# Altium PCB Pleiades_Frouf.PcbDoc (part 6 of 12) (continued)
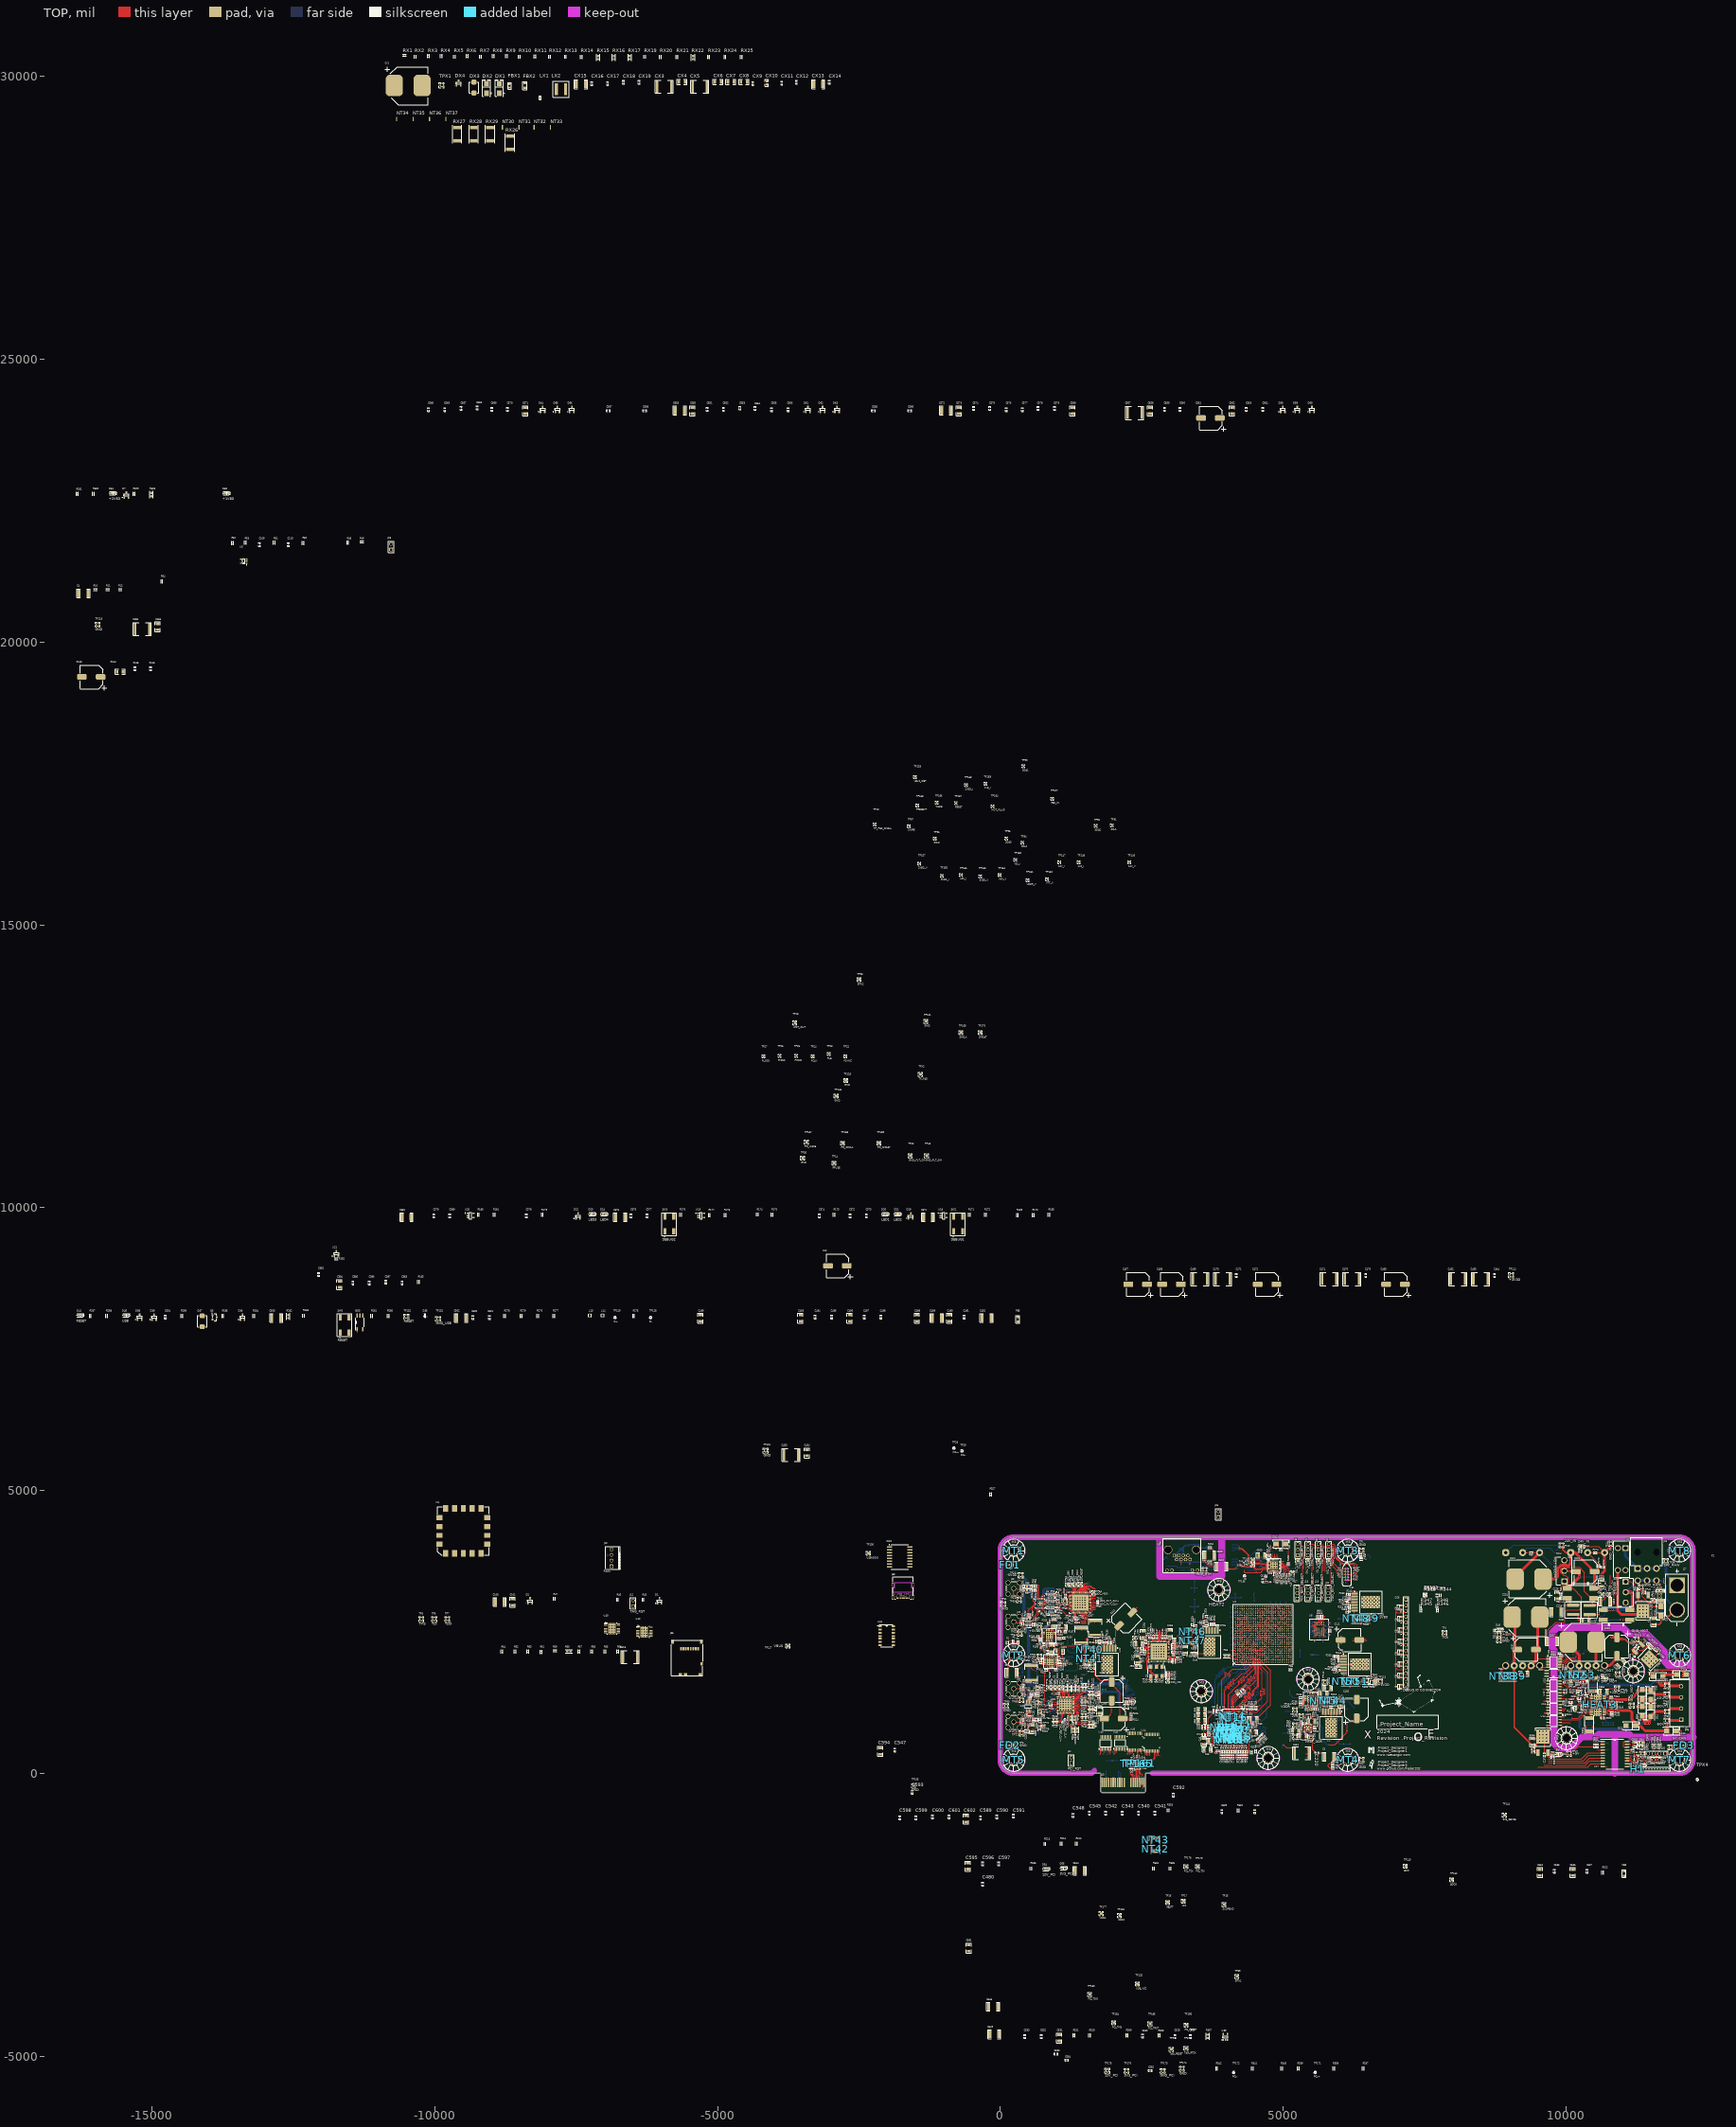
[diagram p0: TOP view]
## Nets (pads, with @x,y where several pads share a name; then routed paths per layer and width w, separated by ;. In a path a pad name is that pad's centre, name@x,y a point inside that pad or via, vN(x,y) a via of type N, cw(c..) or ccw(c..) an arc to the next point about the centre after c; other vN are vias at no path point) (continued)
A0: NT1.2 U1.N3 U2.K10 | length 3138.6
  TOP w8.89: v1(4032.11,701.42) U1.N3@4047.24,716.54 ; v1(4493.23,2299.39) 4493.23,2299.85 4511.81,2318.43 U2.K10@4511.81,2318.9
  IN1 w5.75: v1(4032.11,701.42) 4080.98,652.55 4141.23,652.55 4171.73,622.05 4414.13,622.05 4417.18,622.05 4417.69,622.56 ccw(c4409.29,630.96) 4417.69,639.36 4412.9,644.14 cw(c4421.3,652.54) 4412.9,660.94 cw(c4421.3,652.54) 4429.7,660.94 4460.45,630.19 ccw(c4468.84,638.59) 4477.24,630.19 ccw(c4468.84,638.59) 4477.24,646.99 4446.49,677.74 cw(c4454.89,686.14) 4446.49,694.54 cw(c4454.89,686.14) 4463.29,694.54 4494.04,663.79 ccw(c4502.44,672.19) 4510.84,663.79 ccw(c4502.44,672.19) 4510.84,680.58 4480.09,711.33 cw(c4488.49,719.73) 4480.09,728.13 cw(c4488.49,719.73) 4496.89,728.13 4527.63,697.38 ccw(c4536.03,705.78) 4544.43,697.38 ccw(c4536.03,705.78) 4544.43,714.18 4513.68,744.93 cw(c4522.08,753.33) 4513.68,761.72 cw(c4522.08,753.32) 4530.48,761.72 4561.23,730.98 ccw(c4569.63,739.37) 4578.02,730.98 ccw(c4569.63,739.37) 4578.02,747.77 4547.28,778.52 cw(c4555.67,786.92) 4547.28,795.32 cw(c4555.67,786.92) 4564.07,795.32 4594.82,764.57 ccw(c4603.22,772.97) 4611.62,764.57 ccw(c4603.22,772.97) 4611.62,781.37 4580.87,812.11 cw(c4589.27,820.51) 4580.87,828.91 cw(c4589.27,820.51) 4597.67,828.91 4628.42,798.16 ccw(c4636.81,806.56) 4645.21,798.16 ccw(c4636.81,806.56) 4645.21,814.96 4614.46,845.71 cw(c4622.86,854.11) 4614.46,862.51 cw(c4622.86,854.11) 4631.26,862.51 4662.01,831.76 ccw(c4670.41,840.16) 4678.81,831.76 ccw(c4670.41,840.16) 4678.81,848.55 4669.64,857.72 cw(c4678.04,866.12) 4669.64,874.51 4683.4,888.27 4683.4,905.45 4683.4,1790.42 4590,1883.83 4590,2232.09 4541.54,2280.55 4512.07,2280.55 v1(4493.23,2299.39)
A1: NT3.2 U1.P7 U2.L9 | length 3063.1
  TOP w8.89: v1(4133.63,617.01) 4133.63,675.81 4142.86,685.04 U1.P7@4173.23,685.04 ; v1(4530,2260.98) 4530.59,2261.57 4533.23,2261.57 U2.L9@4551.18,2279.53
  IN2 w5.75: v1(4133.63,617.01) 4119.1,602.47 4119.1,525.21 4149.19,495.13 4152.06,495.13 4177.44,495.11 cw(c4177.43,482.24) 4190.31,482.24 4190.31,465.81 ccw(c4203.18,465.81) 4216.06,465.81 4216.06,510.57 cw(c4228.94,510.57) 4241.82,510.57 4241.82,465.81 ccw(c4254.69,465.81) 4267.57,465.81 4267.57,510.57 cw(c4280.45,510.57) 4293.32,510.57 4293.32,465.81 ccw(c4306.2,465.81) 4319.08,465.81 4319.08,510.57 cw(c4331.96,510.57) 4344.83,510.57 4344.83,465.81 ccw(c4357.71,465.81) 4370.59,465.81 4370.59,510.57 cw(c4383.47,510.57) 4396.34,510.57 4396.34,465.81 ccw(c4409.22,465.81) 4422.1,465.81 4422.1,502.26 cw(c4444.08,502.26) 4428.54,517.8 4431.41,520.68 4730,819.27 4730,1783.55 4569.92,1943.63 4569.92,2221.06 v1(4530,2260.98)
A2: NT5.2 U1.P3 U2.K9 | length 3144
  TOP w8.89: v1@4034.48,667.45 4035.08,668.04 4035.08,671.02 4047.24,683.18 U1.P3@4047.24,685.04 ; U2.K9@4511.81,2279.53 4531.07,2298.79 4534.49,2298.79 v1(4535.08,2299.39)
  IN1 w5.75: v1@4034.48,667.45 4065.69,636.24 4071.79,636.24 4148.03,560 4468.62,560 4755,846.38 4755,897.36 4755,915.5 ccw(c4742.12,915.5) 4742.12,928.38 4740.15,928.38 cw(c4740.15,941.26) 4740.15,954.13 4790.37,954.13 ccw(c4790.37,967.01) 4790.37,979.89 4740.15,979.89 cw(c4740.15,992.77) 4740.15,1005.64 4790.37,1005.64 ccw(c4790.37,1018.52) 4790.37,1031.4 4740.15,1031.4 cw(c4740.15,1044.28) 4740.15,1057.15 4790.37,1057.15 ccw(c4790.37,1070.03) 4790.37,1082.91 4740.15,1082.91 cw(c4740.15,1095.79) 4740.15,1108.66 4790.37,1108.66 ccw(c4790.37,1121.54) 4790.37,1134.42 4740.15,1134.42 cw(c4740.15,1147.29) 4740.15,1160.17 4790.37,1160.17 ccw(c4790.37,1173.05) 4790.37,1185.93 4767.88,1185.93 cw(c4767.88,1198.8) 4755,1198.8 4755,1201.68 4755,1871.92 4645,1981.92 4645,2230 4575.61,2299.39 v1(4535.08,2299.39)
  other v1: 4035.08,669.53
A3: NT7.2 U1.N2 U2.J7 | length 3121.7
  TOP w8.89: NT7.2@3947.74,703.76 3947.79,703.7 3952.29,703.7 3955.05,700.94 3974.24,700.94 3974.52,701.22 3998.26,701.22 3999.51,702.47 v1(4000.35,702.47) 4001.02,702.47 4015.09,716.54 U1.N2@4015.75,716.54 ; U2.J7@4472.44,2200.79 4493.23,2180 v1(4613.62,2180)
  IN2 w5.75: v1(4000.35,702.47) 3975,677.11 3975,510 4110,375 4469.04,375 4845,750.96 4845,2073.15 4721.44,2196.72 4630.33,2196.72 v1(4613.62,2180)
A4: NT9.2 U1.P8 U2.G5 | length 3063.7
  TOP w8.89: v1(4188.04,702.57) 4188.04,702.15 4204.72,685.46 U1.P8@4204.72,685.04 ; U2.G5@4393.7,2122.05 4393.7,2121.48 4412.29,2102.89 v1(4412.29,2102.32)
  IN2 w5.75: v1(4188.04,702.57) 4185.83,702.57 4131.54,756.85 4131.54,793.83 4143.45,805.74 4149.85,805.74 4186.68,842.57 4253.23,842.57 4285.8,875.15 4287.84,877.18 ccw(c4278.73,886.29) 4287.84,895.39 4280.98,902.25 cw(c4290.09,911.35) 4280.98,920.46 cw(c4290.09,911.35) 4299.19,920.46 4307.66,911.99 ccw(c4316.76,921.1) 4325.87,911.99 ccw(c4316.76,921.1) 4325.87,930.2 4315,941.07 cw(c4324.11,950.18) 4315,959.28 cw(c4324.11,950.18) 4333.22,959.28 4342.47,950.03 ccw(c4351.58,959.13) 4360.68,950.03 4374.72,964.07 4383.74,973.09 4383.74,978.82 ccw(c4371.87,978.82) 4371.87,990.7 4331.69,990.7 cw(c4331.69,1002.58) 4331.69,1014.46 4389.33,1014.46 ccw(c4389.33,1026.33) 4389.33,1038.21 4331.69,1038.21 cw(c4331.69,1050.09) 4331.69,1061.96 4389.33,1061.96 ccw(c4389.33,1073.84) 4389.33,1085.72 4331.69,1085.72 cw(c4331.69,1097.6) 4331.69,1109.47 4389.33,1109.47 ccw(c4389.33,1121.35) 4389.33,1133.23 4331.69,1133.23 cw(c4331.69,1145.11) 4331.69,1156.98 4389.33,1156.98 ccw(c4389.33,1168.86) 4389.33,1180.74 4365.57,1180.74 cw(c4365.57,1192.61) 4365.57,1204.49 4371.87,1204.49 ccw(c4371.87,1216.37) 4383.74,1216.37 4383.74,1231.64 4383.74,1352.26 4383.74,1380.89 cw(c4396.62,1380.89) 4396.62,1393.77 4411.98,1393.77 ccw(c4411.98,1406.65) 4411.98,1419.52 4391.43,1419.52 cw(c4391.43,1432.4) 4391.43,1445.28 4411.98,1445.28 ccw(c4411.98,1458.16) 4411.98,1471.03 4391.43,1471.03 cw(c4391.43,1483.91) 4391.43,1496.79 4411.98,1496.79 ccw(c4411.98,1509.67) 4411.98,1522.54 4391.43,1522.54 cw(c4391.43,1535.42) 4391.43,1548.3 4411.98,1548.3 ccw(c4411.98,1561.17) 4411.98,1574.05 4391.43,1574.05 cw(c4391.43,1586.93) 4391.43,1599.81 4411.98,1599.81 ccw(c4411.98,1612.68) 4411.98,1625.56 4391.43,1625.56 cw(c4391.43,1638.44) 4391.43,1651.32 4411.98,1651.32 ccw(c4411.98,1664.19) 4411.98,1677.07 4391.43,1677.07 cw(c4391.43,1689.95) 4391.43,1702.83 4411.98,1702.83 ccw(c4411.98,1715.7) 4411.98,1728.58 4391.43,1728.58 cw(c4391.43,1741.46) 4391.43,1754.33 4411.98,1754.33 ccw(c4411.98,1767.21) 4411.98,1780.09 4391.43,1780.09 cw(c4391.43,1792.97) 4391.43,1805.84 4411.98,1805.84 ccw(c4411.98,1818.72) 4411.98,1831.6 4391.43,1831.6 cw(c4391.43,1844.48) 4391.43,1857.35 4411.98,1857.35 ccw(c4411.98,1870.23) 4411.98,1883.11 4396.62,1883.11 cw(c4396.62,1895.98) 4383.74,1895.98 4383.74,1913.25 4383.74,1934.72 4430.84,1981.82 4430.84,2083.77 v1(4412.29,2102.32)
A5: NT11.2 U1.P2 U2.K5 | length 3146.2
  TOP w8.89: v1(4000,670) 4000.35,670 4015.39,685.04 U1.P2@4015.75,685.04 ; U2.K5@4511.81,2122.05 4514.2,2122.05 4533.88,2102.36 v1(4671.91,2102.36)
  IN1 w5.75: v1(4000,670) 4000,633.12 4142.31,490.82 4147.43,490.82 4186.19,490.82 cw(c4186.19,477.44) 4199.56,477.44 4199.56,462.09 ccw(c4212.94,462.09) 4226.32,462.09 4226.32,492.72 cw(c4239.7,492.72) 4253.07,492.72 4253.07,462.09 ccw(c4266.45,462.09) 4279.83,462.09 4279.83,492.72 cw(c4293.21,492.72) 4306.58,492.72 4306.58,462.09 ccw(c4319.96,462.09) 4333.34,462.09 4333.34,492.72 cw(c4346.71,492.72) 4360.09,492.72 4360.09,462.09 ccw(c4373.47,462.09) 4386.85,462.09 4386.85,492.72 cw(c4400.22,492.72) 4413.6,492.72 4413.6,462.09 ccw(c4426.98,462.09) 4440.36,462.09 4440.36,492.72 cw(c4453.73,492.72) 4467.11,492.72 4467.11,462.09 ccw(c4480.49,462.09) 4493.86,462.09 4493.86,477.44 cw(c4507.24,477.44) 4507.24,490.82 4510.12,490.82 4521.49,490.82 4846.22,815.55 4846.22,1893.76 4724.88,2015.09 4724.68,2015.09 4714.79,2024.98 4714.79,2025.19 4703.73,2036.25 4703.73,2070.54 v1(4671.91,2102.36)
A6: NT13.2 U1.R8 U2.J5 | length 3062.9
  TOP w8.89: NT13.2@4205.18,653.54 4220.45,668.81 v1(4220.9,668.81) ; NT13.2@4207.18,650.97 NT13.2@4207.63,650.97 ; U2.J5@4472.44,2122.05 4490,2139.61 v1(4490,2140)
  IN2 w5.75: v1(4220.9,668.81) 4222.09,670 4372.61,670 4482.72,780.11 4485.19,780.11 4595.29,890.21 4596.74,891.66 4596.74,893.09 ccw(c4583.36,893.09) 4583.36,906.47 4576.01,906.47 cw(c4576.01,919.84) 4576.01,933.22 4639.98,933.22 ccw(c4639.98,946.6) 4639.98,959.98 4576.01,959.98 cw(c4576.01,973.35) 4576.01,986.73 4639.98,986.73 ccw(c4639.98,1000.11) 4639.98,1013.49 4576.01,1013.49 cw(c4576.01,1026.86) 4576.01,1040.24 4639.98,1040.24 ccw(c4639.98,1053.62) 4639.98,1066.99 4576.01,1066.99 cw(c4576.01,1080.37) 4576.01,1093.75 4639.98,1093.75 ccw(c4639.98,1107.13) 4639.98,1120.5 4576.01,1120.5 cw(c4576.01,1133.88) 4576.01,1147.26 4639.98,1147.26 ccw(c4639.98,1160.64) 4639.98,1174.01 4576.01,1174.01 cw(c4576.01,1187.39) 4576.01,1200.77 4639.98,1200.77 ccw(c4639.98,1214.14) 4639.98,1227.52 4576.01,1227.52 cw(c4576.01,1240.9) 4576.01,1254.28 4639.98,1254.28 ccw(c4639.98,1267.65) 4639.98,1281.03 4576.01,1281.03 cw(c4576.01,1294.41) 4576.01,1307.79 4639.04,1307.79 ccw(c4639.04,1321.16) 4639.04,1334.54 4610.12,1334.54 cw(c4610.12,1347.92) 4596.74,1347.92 4596.74,1446.32 4596.74,1767.16 4500,1863.9 4500,2130 v1(4490,2140)
A7: NT15.2 U1.R2 U2.J10 | length 3068.6
  TOP w8.89: U1.R2@4015.75,653.54 4017.06,652.23 4017.06,644.35 4020.18,641.24 v1(4020.18,640.39) ; U2.J10@4472.44,2318.9 4472.44,2319.06 4493.23,2339.84 v1(4493.23,2340)
  IN2 w5.75: v1(4020.18,640.39) 4020.18,639.33 4034.48,625.02 4034.48,510.58 4130.06,415 4445,415 4790,760 4790,1793.92 4784.07,1799.85 4782.03,1801.89 4768.51,1815.4 cw(c4781.51,1828.4) 4768.51,1841.39 4776.86,1849.74 ccw(c4763.86,1862.73) 4776.86,1875.72 ccw(c4763.86,1862.73) 4750.87,1875.72 4740.36,1865.22 cw(c4727.36,1878.21) 4714.37,1865.22 cw(c4727.36,1878.21) 4714.37,1891.21 4724.88,1901.71 ccw(c4711.88,1914.71) 4724.88,1927.7 ccw(c4711.88,1914.71) 4698.89,1927.7 4688.38,1917.2 cw(c4675.39,1930.19) 4662.39,1917.2 cw(c4675.39,1930.19) 4662.39,1943.18 4672.9,1953.69 ccw(c4659.9,1966.69) 4672.9,1979.68 ccw(c4659.9,1966.69) 4646.91,1979.68 4638.57,1971.34 cw(c4625.57,1984.33) 4612.58,1971.34 4610.54,1973.37 4596.74,1987.18 4596.74,2280.69 4522.43,2355 4508.23,2355 v1(4493.23,2340)
A8: NT17.2 U1.T8 U2.C2 | length 3069.3
  TOP w8.89: v1(4204.72,600) U1.T8@4204.72,622.05 ; U2.C2@4236.22,2003.94 4254.19,1985.97 4254.19,1981.37 v1(4254.78,1980.78)
  IN2 w5.75: v1(4204.72,600) 4186.09,600 4174.11,611.98 4174.11,646.91 4174.36,647.16 4174.36,672.21 4154.06,692.51 4141.86,692.51 4114.03,720.33 4114.03,1165 4146.62,1197.58 4146.62,1248.58 4146.62,1277.22 cw(c4159.49,1277.22) 4159.49,1290.09 4216.17,1290.09 ccw(c4216.17,1302.97) 4216.17,1315.85 4151.56,1315.85 cw(c4151.56,1328.73) 4151.56,1341.6 4216.17,1341.6 ccw(c4216.17,1354.48) 4216.17,1367.36 4151.56,1367.36 cw(c4151.56,1380.24) 4151.56,1393.11 4216.17,1393.11 ccw(c4216.17,1405.99) 4216.17,1418.87 4151.56,1418.87 cw(c4151.56,1431.74) 4151.56,1444.62 4216.17,1444.62 ccw(c4216.17,1457.5) 4216.17,1470.38 4151.56,1470.38 cw(c4151.56,1483.25) 4151.56,1496.13 4216.17,1496.13 ccw(c4216.17,1509.01) 4216.17,1521.89 4151.56,1521.89 cw(c4151.56,1534.76) 4151.56,1547.64 4216.17,1547.64 ccw(c4216.17,1560.52) 4216.17,1573.39 4151.56,1573.39 cw(c4151.56,1586.27) 4151.56,1599.15 4216.17,1599.15 ccw(c4216.17,1612.03) 4216.17,1624.9 4151.56,1624.9 cw(c4151.56,1637.78) 4151.56,1650.66 4216.17,1650.66 ccw(c4216.17,1663.54) 4216.17,1676.41 4151.56,1676.41 cw(c4151.56,1689.29) 4151.56,1702.17 4216.17,1702.17 ccw(c4216.17,1715.04) 4216.17,1727.92 4151.56,1727.92 cw(c4151.56,1740.8) 4151.56,1753.68 4216.17,1753.68 ccw(c4216.17,1766.55) 4216.17,1779.43 4193.76,1779.43 cw(c4193.76,1792.31) 4184.65,1801.41 4200.78,1817.54 4254.78,1871.55 v1(4254.78,1980.78)
A9: NT19.2 U1.R3 U2.C1 | length 3071.8
  TOP w8.89: U1.R3@4047.24,653.54 4047.75,653.54 4047.75,654.05 4068.55,674.85 4068.55,687.71 v1(4069.14,688.3) ; v1(4226.01,1950.58) 4226.61,1951.18 4226.61,1952.57 4236.22,1962.18 U2.C1@4236.22,1964.57
  IN2 w5.75: v1(4069.14,688.3) 4071.48,685.96 4091.64,685.96 4103.28,697.59 4103.28,904.01 4061.02,946.26 4061.02,1132.74 4061.02,1135.61 ccw(c4048.14,1135.61) 4048.14,1148.49 4033.88,1148.49 cw(c4033.88,1161.37) 4033.88,1174.24 4090.64,1174.24 ccw(c4090.64,1187.12) 4090.64,1200 4033.88,1200 cw(c4033.88,1212.88) 4033.88,1225.75 4090.64,1225.75 ccw(c4090.64,1238.63) 4090.64,1251.51 4033.88,1251.51 cw(c4033.88,1264.39) 4033.88,1277.26 4090.64,1277.26 ccw(c4090.64,1290.14) 4090.64,1303.02 4033.88,1303.02 cw(c4033.88,1315.9) 4033.88,1328.77 4090.64,1328.77 ccw(c4090.64,1341.65) 4090.64,1354.53 4033.88,1354.53 cw(c4033.88,1367.4) 4033.88,1380.28 4090.64,1380.28 ccw(c4090.64,1393.16) 4090.64,1406.04 4033.88,1406.04 cw(c4033.88,1418.91) 4033.88,1431.79 4090.64,1431.79 ccw(c4090.64,1444.67) 4090.64,1457.55 4033.88,1457.55 cw(c4033.88,1470.42) 4033.88,1483.3 4090.64,1483.3 ccw(c4090.64,1496.18) 4090.64,1509.05 4033.88,1509.05 cw(c4033.88,1521.93) 4033.88,1534.81 4090.64,1534.81 ccw(c4090.64,1547.69) 4090.64,1560.56 4033.88,1560.56 cw(c4033.88,1573.44) 4033.88,1586.32 4090.64,1586.32 ccw(c4090.64,1599.2) 4090.64,1612.07 4033.88,1612.07 cw(c4033.88,1624.95) 4033.88,1637.83 4090.64,1637.83 ccw(c4090.64,1650.7) 4090.64,1663.58 4033.88,1663.58 cw(c4033.88,1676.46) 4033.88,1689.34 4090.64,1689.34 ccw(c4090.64,1702.21) 4090.64,1715.09 4033.88,1715.09 cw(c4033.88,1727.97) 4033.88,1740.85 4048.14,1740.85 ccw(c4048.14,1753.72) 4061.02,1753.72 4061.02,1764.41 4104.8,1808.19 4226.68,1930.07 4226.68,1949.92 v1(4226.01,1950.58)
A10: NT20.2 U1.L7 U2.G6 | length 3062.9
  TOP w8.89: v1(4150.44,788.56) 4151.28,788.56 4159,780.84 4171.92,780.84 U1.L7@4173.23,779.53 ; U2.G6@4393.7,2161.42 4393.94,2161.42 4415.36,2140 v1(4415.59,2140)
  IN2 w5.75: v1(4150.44,788.56) 4150.74,788.86 4173.08,788.86 4182.41,779.53 4228.22,779.53 4243.31,794.61 4289.11,794.61 4291.15,796.65 ccw(c4287.08,800.72) 4291.15,804.79 4274.23,821.71 cw(c4277.87,825.35) 4274.23,828.99 4285.16,839.92 cw(c4288.8,836.27) 4292.44,839.92 4343.68,788.68 ccw(c4347.32,792.32) 4350.96,788.68 4361.89,799.61 ccw(c4358.25,803.25) 4361.89,806.89 4310.65,858.13 cw(c4314.29,861.77) 4310.65,865.41 4321.58,876.34 cw(c4325.22,872.7) 4328.86,876.34 4380.1,825.1 ccw(c4383.74,828.74) 4387.38,825.1 4398.31,836.03 ccw(c4394.67,839.67) 4398.31,843.31 4347.07,894.55 cw(c4350.72,898.19) 4347.07,901.83 4358,912.76 cw(c4361.64,909.12) 4365.28,912.76 4416.52,861.52 ccw(c4420.17,865.17) 4423.81,861.52 4434.73,872.45 ccw(c4431.09,876.09) 4434.73,879.73 4383.5,930.97 cw(c4387.14,934.62) 4383.5,938.26 4394.42,949.18 cw(c4398.06,945.54) 4401.71,949.18 4452.95,897.95 ccw(c4456.59,901.59) 4460.23,897.95 4471.16,908.87 ccw(c4467.51,912.51) 4471.16,916.16 4419.92,967.4 cw(c4423.56,971.04) 4419.92,974.68 4430.85,985.61 cw(c4434.49,981.96) 4438.13,985.61 4443.67,980.07 ccw(c4447.74,984.13) 4453.49,984.13 4453.49,996.17 4453.49,1015.32 4453.49,1018.2 ccw(c4440.62,1018.2) 4440.62,1031.07 4434.29,1031.07 cw(c4434.29,1043.95) 4434.29,1056.83 4476.11,1056.83 ccw(c4476.11,1069.71) 4476.11,1082.58 4434.29,1082.58 cw(c4434.29,1095.46) 4434.29,1108.34 4476.11,1108.34 ccw(c4476.11,1121.22) 4476.11,1134.09 4434.29,1134.09 cw(c4434.29,1146.97) 4434.29,1159.85 4476.11,1159.85 ccw(c4476.11,1172.72) 4476.11,1185.6 4434.29,1185.6 cw(c4434.29,1198.48) 4434.29,1211.36 4476.11,1211.36 ccw(c4476.11,1224.23) 4476.11,1237.11 4434.29,1237.11 cw(c4434.29,1249.99) 4434.29,1262.87 4476.11,1262.87 ccw(c4476.11,1275.74) 4476.11,1288.62 4434.29,1288.62 cw(c4434.29,1301.5) 4434.29,1314.37 4476.11,1314.37 ccw(c4476.11,1327.25) 4476.11,1340.13 4437.5,1340.13 cw(c4437.5,1353.01) 4437.5,1365.88 4466.37,1365.88 ccw(c4466.37,1378.76) 4466.37,1391.64 cw(c4466.37,1404.52) 4453.49,1404.52 4453.49,1431.57 4453.49,1910.84 4464.59,1921.94 4464.59,1999.06 4439.59,2024.06 4439.59,2087.4 4429.53,2097.46 4429.53,2111 4415.59,2124.93 v1(4415.59,2140)
A11: NT21.2 U1.R7 U2.B1 | length 3075.8
  TOP w8.89: v1(4157.48,665.22) 4158.08,664.62 4160.29,664.62 4171.37,653.54 U1.R7@4173.23,653.54 ; v1@4180.59,1938.34 4195.16,1952.9 4195.16,1962.88 U2.B1@4196.85,1964.57
  IN2 w5.75: v1(4157.48,665.22) 4143.45,665.22 4138.44,660.2 4073.32,660.2 4052.26,681.26 4052.26,695.29 4091.41,734.44 4091.41,812.52 4069.14,834.79 4069.14,884.43 4017.6,935.97 4017.6,996.15 4019.36,997.91 4019.36,1054.65 3990,1084.01 3990,1095.49 3990,1098.37 ccw(c3979.62,1098.37) 3979.62,1108.75 3971.74,1108.75 cw(c3971.74,1119.13) 3971.74,1129.5 3987.26,1129.5 ccw(c3987.26,1139.88) 3987.26,1150.26 3957.29,1150.26 cw(c3957.29,1160.64) 3957.29,1171.01 3987.26,1171.01 ccw(c3987.26,1181.39) 3987.26,1191.77 3957.29,1191.77 cw(c3957.29,1202.15) 3957.29,1212.52 3987.26,1212.52 ccw(c3987.26,1222.9) 3987.26,1233.28 3957.29,1233.28 cw(c3957.29,1243.65) 3957.29,1254.03 3987.26,1254.03 ccw(c3987.26,1264.41) 3987.26,1274.79 3957.29,1274.79 cw(c3957.29,1285.16) 3957.29,1295.54 3987.26,1295.54 ccw(c3987.26,1305.92) 3987.26,1316.3 3957.29,1316.3 cw(c3957.29,1326.67) 3957.29,1337.05 3987.26,1337.05 ccw(c3987.26,1347.43) 3987.26,1357.81 3957.29,1357.81 cw(c3957.29,1368.18) 3957.29,1378.56 3987.26,1378.56 ccw(c3987.26,1388.94) 3987.26,1399.31 3957.29,1399.31 cw(c3957.29,1409.69) 3957.29,1420.07 3987.26,1420.07 ccw(c3987.26,1430.45) 3987.26,1440.82 3957.29,1440.82 cw(c3957.29,1451.2) 3957.29,1461.58 3987.26,1461.58 ccw(c3987.26,1471.96) 3987.26,1482.33 3957.29,1482.33 cw(c3957.29,1492.71) 3957.29,1503.09 3987.26,1503.09 ccw(c3987.26,1513.46) 3987.26,1523.84 3957.29,1523.84 cw(c3957.29,1534.22) 3957.29,1544.6 3987.26,1544.6 ccw(c3987.26,1554.97) 3987.26,1565.35 3957.29,1565.35 cw(c3957.29,1575.73) 3957.29,1586.11 3979.62,1586.11 ccw(c3979.62,1596.48) 3990,1596.48 3990,1622.15 3990,1783.38 3995.45,1788.84 3997.49,1790.87 ccw(c3988.03,1800.33) 3997.49,1809.79 3972.49,1834.79 cw(c3981.95,1844.25) 3972.49,1853.71 cw(c3981.95,1844.25) 3991.4,1853.71 4031.14,1813.97 ccw(c4040.6,1823.43) 4050.06,1813.97 ccw(c4040.6,1823.43) 4050.06,1832.89 4010.32,1872.63 cw(c4019.78,1882.08) 4010.32,1891.54 cw(c4019.78,1882.08) 4029.24,1891.54 4068.97,1851.81 ccw(c4078.43,1861.27) 4087.89,1851.81 ccw(c4078.43,1861.27) 4087.89,1870.73 4048.16,1910.46 cw(c4057.62,1919.92) 4048.16,1929.38 cw(c4057.62,1919.92) 4067.08,1929.38 4106.81,1889.65 ccw(c4116.27,1899.11) 4125.73,1889.65 ccw(c4116.27,1899.11) 4125.73,1908.57 4086,1948.3 cw(c4095.46,1957.76) 4086,1967.22 cw(c4095.46,1957.76) 4104.91,1967.22 4128.21,1943.92 ccw(c4137.67,1953.38) 4137.67,1940 4176.95,1940 4177.74,1940 v1(4180,1937.74)
A12: NT22.2 U1.N7 U2.E5 | length 3142.2
  TOP w8.89: U1.N7@4173.23,716.54 4187.44,730.75 4187.44,733.52 v1(4188.04,734.11) ; U2.E5@4314.96,2122.05 v1(4332.91,2140)
  IN1 w5.75: v1(4188.04,734.11) 4191.23,734.11 4205.06,747.94 4258.3,747.94 4267.99,757.63 4290.61,780.25 4310.86,800.49 cw(c4319.96,791.39) 4329.07,800.49 4341.47,788.09 ccw(c4350.57,797.2) 4359.68,788.09 ccw(c4350.57,797.2) 4359.68,806.3 4335.49,830.5 cw(c4344.59,839.6) 4335.49,848.71 cw(c4344.59,839.6) 4353.7,848.71 4377.89,824.52 ccw(c4387,833.62) 4396.1,824.52 ccw(c4387,833.62) 4396.1,842.73 4371.91,866.92 cw(c4381.01,876.03) 4371.91,885.13 cw(c4381.01,876.03) 4390.12,885.13 4414.31,860.94 ccw(c4423.42,870.04) 4432.52,860.94 ccw(c4423.42,870.04) 4432.52,879.15 4408.33,903.34 cw(c4417.44,912.45) 4408.33,921.55 cw(c4417.44,912.45) 4426.54,921.55 4450.74,897.36 ccw(c4459.84,906.47) 4468.95,897.36 ccw(c4459.84,906.47) 4468.95,915.57 4456.55,927.97 cw(c4465.65,937.08) 4456.55,946.18 4469.3,958.93 4474.8,964.44 4475.79,965.43 4475.79,967.32 4475.83,993.79 ccw(c4462.45,993.81) 4462.45,1007.18 4461.9,1007.18 cw(c4461.9,1020.56) 4461.9,1033.94 4481.24,1033.94 ccw(c4481.24,1047.31) 4481.24,1060.69 4421.96,1060.69 cw(c4421.96,1074.07) 4421.96,1087.45 4481.24,1087.45 ccw(c4481.24,1100.82) 4481.24,1114.2 4421.96,1114.2 cw(c4421.96,1127.58) 4421.96,1140.96 4481.24,1140.96 ccw(c4481.24,1154.33) 4481.24,1167.71 4421.96,1167.71 cw(c4421.96,1181.09) 4421.96,1194.47 4481.24,1194.47 ccw(c4481.24,1207.84) 4481.24,1221.22 4421.96,1221.22 cw(c4421.96,1234.6) 4421.96,1247.97 4481.24,1247.97 ccw(c4481.24,1261.35) 4481.24,1274.73 4421.96,1274.73 cw(c4421.96,1288.11) 4421.96,1301.48 4481.24,1301.48 ccw(c4481.24,1314.86) 4481.24,1328.24 4421.96,1328.24 cw(c4421.96,1341.62) 4421.96,1354.99 4481.24,1354.99 ccw(c4481.24,1368.37) 4481.24,1381.75 4421.96,1381.75 cw(c4421.96,1395.12) 4421.96,1408.5 4462.94,1408.5 ccw(c4462.94,1421.88) 4476.32,1421.87 4476.34,1455.32 4476.34,1458.2 4476.65,2067.2 4454.57,2089.28 4450.09,2089.28 4420.17,2119.2 4396.26,2119.2 4375.46,2140 v1(4332.91,2140)
A13: NT25.2 U1.T3 U2.H8 | length 3067
  TOP w8.89: U1.T3@4047.24,622.05 4048.56,620.74 4062.59,620.74 4063.96,619.36 v1(4064.8,619.36) ; U2.H8@4433.07,2240.16 4433.67,2240.16 4453.89,2260.38 v1(4454.49,2260.38)
  IN2 w5.75: v1(4064.8,619.36) 4083.01,619.36 4105.45,641.8 4134.51,641.8 4156.95,619.36 4156.95,579.27 4186.22,550 4344.33,550 4353.43,559.11 4355.47,561.14 ccw(c4345.66,570.95) 4355.47,580.77 4355.42,580.82 cw(c4365.23,590.63) 4355.42,600.44 cw(c4365.23,590.63) 4375.04,600.44 4412.69,562.79 ccw(c4422.51,572.61) 4432.32,562.79 ccw(c4422.51,572.61) 4432.32,582.42 4394.67,620.07 cw(c4404.48,629.88) 4394.67,639.69 cw(c4404.48,629.88) 4414.29,639.69 4451.94,602.04 ccw(c4461.76,611.86) 4471.57,602.04 ccw(c4461.76,611.86) 4471.57,621.67 4433.92,659.32 cw(c4443.73,669.13) 4433.92,678.95 cw(c4443.73,669.13) 4453.54,678.95 4491.19,641.3 ccw(c4501.01,651.11) 4510.82,641.3 ccw(c4501.01,651.11) 4510.82,660.92 4473.17,698.57 cw(c4482.98,708.38) 4473.17,718.2 cw(c4482.98,708.38) 4492.79,718.2 4530.45,680.55 ccw(c4540.26,690.36) 4550.07,680.55 ccw(c4540.26,690.36) 4550.07,700.17 4512.42,737.82 cw(c4522.23,747.63) 4512.42,757.45 cw(c4522.23,747.63) 4532.05,757.45 4569.7,719.8 ccw(c4579.51,729.61) 4589.32,719.8 ccw(c4579.51,729.61) 4589.32,739.42 4551.67,777.07 cw(c4561.48,786.89) 4551.67,796.7 cw(c4561.48,786.89) 4571.3,796.7 4571.35,796.65 ccw(c4581.16,806.46) 4590.97,796.65 4608.74,814.41 4610.77,816.44 4683.26,888.93 4683.26,1750.72 4540,1893.97 4540,1986.98 4511.81,2015.17 4511.81,2145.11 4472.44,2184.48 4472.44,2242.43 v1(4454.49,2260.38)
A14: NT28.2 U1.T7 U2.G7 | length 3062.7
  TOP w8.89: U1.T7@4173.23,622.05 U1.T7@4173.23,622.05 v1(4190.99,639.92) v1(4190.99,639.92) ; U2.G7@4393.7,2200.79 v1(4414.49,2180)
  IN2 w5.75: v1(4190.99,639.92) 4190.99,669.68 4244.32,723.01 4343.57,723.01 4347.4,726.84 4367.65,747.09 cw(c4376.75,737.98) 4385.86,747.09 4387.56,745.38 ccw(c4396.67,754.49) 4405.77,745.38 ccw(c4396.67,754.49) 4405.77,763.59 4395.09,774.28 cw(c4404.2,783.38) 4395.09,792.49 cw(c4404.2,783.38) 4413.3,792.49 4423.98,781.81 ccw(c4433.09,790.91) 4442.2,781.81 ccw(c4433.09,790.91) 4442.2,800.02 4431.51,810.7 cw(c4440.62,819.81) 4431.51,828.91 cw(c4440.62,819.81) 4449.72,828.91 4460.41,818.23 ccw(c4469.51,827.33) 4478.62,818.23 ccw(c4469.51,827.33) 4478.62,836.44 4467.93,847.12 cw(c4477.04,856.23) 4467.93,865.33 cw(c4477.04,856.23) 4486.15,865.33 4496.83,854.65 ccw(c4505.93,863.76) 4515.04,854.65 ccw(c4505.93,863.76) 4515.04,872.86 4513.34,874.57 cw(c4522.44,883.67) 4513.34,892.78 4522.43,901.87 4522.43,915.88 4522.43,1400.84 4522.43,1403.72 ccw(c4509.55,1403.72) 4509.55,1416.59 4492.57,1416.59 cw(c4492.57,1429.47) 4492.57,1442.35 4557.58,1442.35 ccw(c4557.58,1455.23) 4557.58,1468.1 4492.57,1468.1 cw(c4492.57,1480.98) 4492.57,1493.86 4557.58,1493.86 ccw(c4557.58,1506.73) 4557.58,1519.61 4492.57,1519.61 cw(c4492.57,1532.49) 4492.57,1545.37 4557.58,1545.37 ccw(c4557.58,1558.24) 4557.58,1571.12 4492.57,1571.12 cw(c4492.57,1584) 4492.57,1596.88 4557.58,1596.88 ccw(c4557.58,1609.75) 4557.58,1622.63 4492.57,1622.63 cw(c4492.57,1635.51) 4492.57,1648.38 4557.58,1648.38 ccw(c4557.58,1661.26) 4557.58,1674.14 4492.57,1674.14 cw(c4492.57,1687.02) 4492.57,1699.89 4557.58,1699.89 ccw(c4557.58,1712.77) 4557.58,1725.65 4492.57,1725.65 cw(c4492.57,1738.53) 4492.57,1751.4 4500.44,1751.4 ccw(c4500.44,1764.28) 4509.54,1773.39 4481.2,1801.73 4481.2,1803.05 4481.2,2109.06 4467.22,2123.04 4453.49,2123.04 4444.79,2131.74 4444.79,2150.2 4414.99,2180 v1(4414.49,2180)
ACT_LED_ETH_15: J39.12 U38.30 | length 1706.1
  TOP w6: U38.30@4814.49,3774.83 v1(4814.49,3870.33)
  BOT w6: J39.12@3485.71,3590 3530,3634.29 3530,3653.68 3541.98,3665.67 3655,3665.67 3674.59,3646.08 3674.59,3611.9 3678.1,3608.39 4184.05,3608.39 4515.24,3939.58 4795.66,3939.58 4814.49,3920.74 v1(4814.49,3870.33)
ADC_CM_10: C240.1 TP58.1 U8.23 U9.11 U9.17 | length 736.3
  TOP w6: U9.11@732.56,2921.08 732.56,2932.89 760,2960.33 760,3019.39 771.93,3031.31 U9.17@783.74,3031.31 828.49,3031.31 v1(855.41,3004.39) ; TP58.1@1120.06,3019.49 1134.98,3019.49 1142.84,3011.63 TP58.1@1150.7,3019.49 ; C240.1@1152.98,3118.65 1152.98,3117.57 1142.84,3107.43 TP58.1@1142.84,3041.79 1147.34,3046.29 U8.23@1235,3046.29
  BOT w6: v1(855.41,3004.39) 873.1,3022.08 1104.82,3022.08 1124.53,3041.79 TP58.1@1142.84,3041.79
ADC_CTRL1: TP55.1 U2.T6 U8.35 | length 390.7
  TOP w6: U8.35@1302.91,2840.58 1302.91,2660.69 1306.43,2657.18 1512.23,2657.18
ADC_CTRL2: TP56.1 U2.T8 U8.36 | length 334.2
  TOP w6: U8.36@1322.6,2840.58 1322.6,2801.73 1323.91,2800.42 1323.91,2783.02 1322.6,2781.7 1322.6,2758.97 1323.7,2757.86 1323.7,2740.47 1322.6,2739.36 1322.6,2713.97 1362.62,2673.95 1511.57,2673.95
ADC_CTRL3: TP57.1 U2.U3 U8.37 | length 273.4
  TOP w6: U8.37@1342.28,2840.58 1342.28,2766.67 TP57.1@1359.78,2749.17 1415.84,2693.1 1511.34,2693.1
ADC_SCLK: TP51.1 U2.R6 U8.13 | length 157.8
  TOP w6: U8.13@1322.6,3192.94 1322.6,3276.03 1342.28,3295.71 TP51.1@1342.28,3342.62
ADCI_23: C530.1 R307.2 TP143.1 U41.8
ADCO_23: TP142.1 U39.3 U41.7
AOUT1_12: D10.1 D14.2 J32.4 TP79.1 U13.4 | length 3210.8
  TOP w20: v4(10315.76,1290.45) v4(10345.76,1290.45) v4(10375.76,1290.45) v4(10402.68,1290.45) U13.4@10456.79,1290.45 U13.4@10477.36,1290.45
  TOP w50: D10.1@11713.84,1712.45 D10.1@11731.05,1729.66 ; 11731.05,1611.57 D10.1@11731.05,1729.66 ; D14.2@11957.78,1743.66 11751.05,1743.66 11737.34,1729.95 11731.34,1729.95 D10.1@11731.05,1729.66 ; J32.4@12037.68,1537.74 12031.11,1544.31 11797.13,1544.31 TP79.1@11790.56,1550.89 ; TP79.1@11790.56,1550.89 11790.56,1611.57 v4(11715.78,1611.57) v4(11658.91,1611.57) v4(11628.84,1611.57) 11689.52,1550.89 TP79.1@11790.56,1550.89
  BOT w50: v4(10402.68,1290.45) v4(10345.76,1290.45) 10316.27,1290.45 10296.41,1310.31 10296.41,1505.92 10352.41,1561.92 11502.53,1561.92 11559.4,1618.78 ; v4(11628.84,1611.57) v4(11658.91,1611.57) v4(11715.78,1611.57) ; v4@11628.84,1618.78 11559.4,1618.78 ; v4@11658.91,1618.78 v4@11687.68,1618.78 ; 11701.13,1618.78 11715.78,1633.43 11715.78,1650.57 11591.18,1650.57 11559.4,1618.78
  other v4: 11687.68,1611.57